# Altium PCB power-v3.6.PcbDoc (part 2 of 3) (continued)
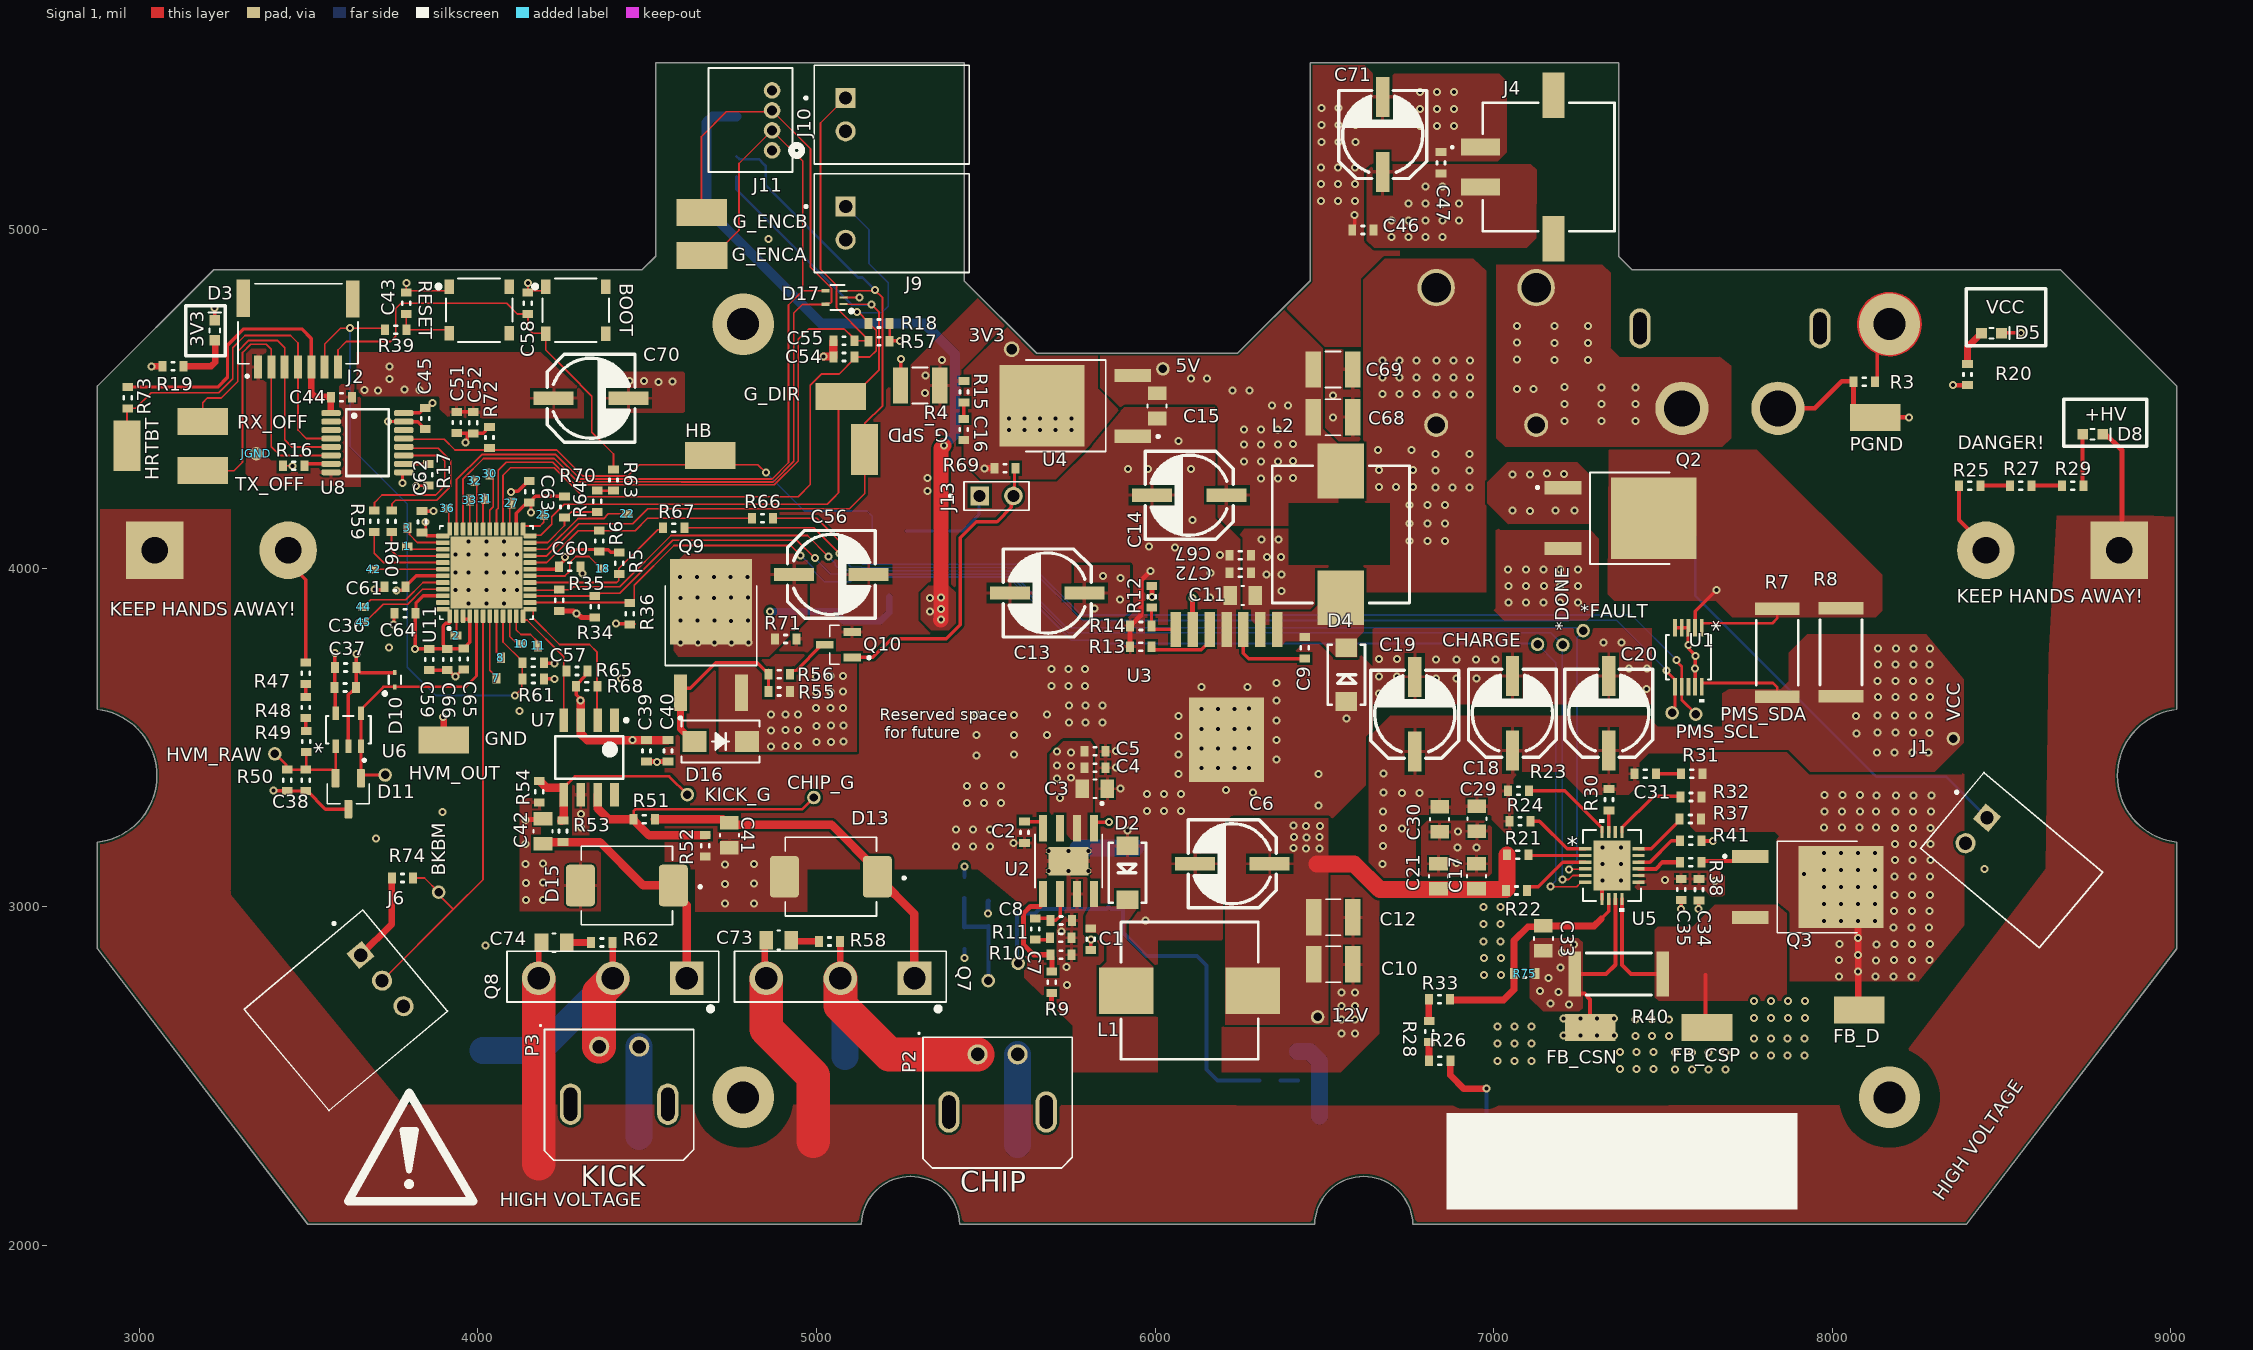
[diagram p0: Signal 1 view]
## Nets (pads, with @x,y where several pads share a name; then routed paths per layer and width w, separated by ;. In a path a pad name is that pad's centre, name@x,y a point inside that pad or via, vN(x,y) a via of type N, cw(c..) or ccw(c..) an arc to the next point about the centre after c; other vN are vias at no path point) (continued)
  Power w50: v1(4304.22,3233.9) 4303.36,3234.76 4303.36,3378.07 4351.61,3426.32 v1@4528.26,3426.32 ; v1(4528.26,3428.38) 5298.23,3428.38 ; 5303.23,3423.38 5303.23,3103.57 5376.34,3030.46 5458.99,3030.46 ; 5303.23,3428.38 5367.89,3493.05 v1@5367.89,3848.3
  Signal 2 w30: J8.2@4764.01,5334.72 4692.81,5334.72 4675.23,5317.14 4675.23,5061.63 5013.75,4723.12 5318.29,4723.12 5409.57,4631.84 5409.57,4396.39 v1(5376.11,4362.93)
  other v1: 6446.09,3171.9 6484.93,3173.05 6409.18,3173.65 6446.61,3204.87 6485.45,3206.02 6409.71,3206.62 6446.33,3239.36 6487.07,3238.88 6409.43,3241.11 4304.32,3273.79 5334.8,3872.18 5334.56,3911.74
  other v2: 7654.05,3076.92 7506.65,3079.67
12V-SW: C1.2 D2.C L1.1 U2.8
12V-VSENSE: R9.1 R10.2 U2.5 | length 332.6
  Signal 1 w15: U2.5@5669.67,3037.86 5669.67,3010.89 5660.52,3001.74 5631.99,3001.74 5611.87,2981.62 5611.87,2888.05 5641.06,2858.85 R10.2@5690.66,2858.85 5690.66,2854.92 5695.01,2850.57 R9.1@5695.01,2809.45
+HV: +HV.1 C22.POS C23.POS C32.1 D7.2 D12.1 D14.1 P2.2 P3.2 R25.2 R26.2 R42.2 R43.2 R47.2 | length 2216.6
  Signal 1 w10: C22.POS@3439.76,4053.54 3439.76,4018.2 3491.91,3966.05 R47.2@3491.91,3721.69
  Signal 1 w12: R25.2@8374.6,4244.32 8374.6,4143.45 8453.94,4064.11 C23.POS@8453.94,4053.54
  Signal 1 w20: R26.2@6872.07,2545.38 6872.07,2502.93 6912.1,2462.89 6978.51,2462.89 v1(6979.21,2463.58)
  Power w80: 4476.35,2321.77 P3.2@4476.35,2587.49 ; 5593.98,2298.75 P2.2@5593.98,2564.47
  Signal 2 w12: v1(6979.21,2463.58) 6979.21,2391.8 D7.2@7049.43,2321.58
  Signal 2 w50: R43.2@6420.54,2573.61 6456.08,2573.61 6485.37,2544.33 6485.37,2382.18
  Signal 2 w80: 4476.35,2321.77 P3.2@4476.35,2587.49 ; 5593.98,2298.75 P2.2@5593.98,2564.47
+VBAT: F1.3 F1.4 P1.2
  other v1: 7209.29,4435.29 7318.69,4434.71 7418.69,4434.71 7209.29,4485.29 7318.69,4484.71 7418.69,4484.71 7068.43,4529.16 7118.43,4529.16 7209.29,4535.29 7318.69,4534.71 7418.69,4534.71 7069.59,4616.35 7178.99,4615.76 7278.99,4615.76 7069.59,4666.35 7178.99,4665.76 7278.99,4665.76 7069.59,4716.35 7178.99,4715.76 7278.99,4715.76
BOOT: BOOT.3 C58.2 J2.7 R63.2 | length 1315.8
  Signal 1 w5: J2.7@3586.67,4594.6 3586.67,4645.05 3611.49,4669.87 3742.15,4669.87 3757.28,4685 3757.28,4767.38 3772.73,4782.83 4084.96,4782.83 4116.46,4751.33 C58.2@4147.74,4751.33 4147.74,4708.24 4162.06,4693.92 4200,4693.92 BOOT.3@4200.41,4693.51 4200.41,4645.01 4268,4577.42 4336.65,4508.77 4336.65,4401.54 4400.31,4337.89 R63.2@4400.31,4292.26
BREAKBEAM: BKBM.1 J6.2 R74.2 U11.6 | length 1361.8
  Signal 1 w5: J6.2@3716.98,2782.18 3927.6,2992.81 ; R74.2@3808.88,3085.57 3842.13,3085.57 BKBM.1@3884.08,3043.62 3884.08,3036.33 3927.6,2992.81 ; U11.6@4015.31,3858.96 4015.31,3080.51 3927.6,2992.81
CH_GND: R3.2 | length 756.1
  Signal 1 w10: R3.2@8125.62,4551.54 8132.43,4558.35 8132.43,4684.57 v3(8169.12,4721.25) ; v3@8259.58,4721.25 ccw(c8169.12,4721.25) v3@8259.58,4721.25
CHARGE: CHARGE.1 R36.2 U5.6 U11.14 | length 4056.6
  Signal 1 w5: U11.14@4162.55,3898.92 R36.2@4461.54,3898.92 ; R36.2@4461.85,3898.62 4461.85,3950.15 4579.22,4067.52 4924.36,4067.52 v1(4953.2,4038.67) ; v1(7168.34,3059.72) 7245.77,3059.72 7256.7,3070.65 7256.7,3072.2 7257.61,3073.11 U5.6@7270.54,3073.11
  Signal 2 w5: v1(4953.2,4038.67) 4990.29,4001.58 4990.29,3993.6 5023.82,3960.08 5100.31,3960.08 5114.61,3974.38 5565.72,3974.38 5567.15,3972.94 cw(c5563.65,3969.38) 5567.21,3972.88 5750.76,3789.34 5752.34,3787.75 5844.22,3787.75 5854.07,3777.9 CHARGE.1@7129.6,3777.9 ; CHARGE.1@7129.6,3775.58 7183.63,3721.55 7183.63,3077.52 7168.34,3062.23 v1(7168.34,3059.72)
CHIP: R68.1 U7.2 U11.13 | length 466
  Signal 1 w5: U11.13@4153.7,3879.24 4159.49,3879.24 4163.88,3874.85 4163.88,3852.4 4241.19,3775.08 4329.45,3775.08 4352.06,3752.47 4352.06,3645.71 4351.7,3645.34 4351.7,3553.46 U7.2@4353.66,3551.5
CHIP_GATE: CHIP_G.1 R51.2 R52.1 U7.7 | length 967.7
  Signal 1 w8: R51.2@4459.9,3259.44 4459.9,3283.19 4464.97,3288.27 4957.49,3288.27 CHIP_G.1@4992.43,3323.21
  Signal 1 w25: U7.7@4353.66,3331.03 4353.95,3330.73 4353.95,3290.76 4385.27,3259.44 R51.2@4459.9,3259.44 4459.9,3256.89 4505.66,3211.12 R52.1@4673.9,3211.12
DONE: *DONE.1 R34.2 U5.5 U11.15 | length 4001.7
  Signal 1 w5: U11.15@4162.55,3918.61 R34.2@4342.99,3918.61 ; R34.2@4345.12,3917.94 4349.06,3917.94 4356.87,3925.75 4360.71,3925.75 4361.55,3926.6 4419.37,3926.6 4575.87,4083.11 4942.17,4083.11 v1(4995.45,4029.83) ; v1(7202.94,3080.9) 7221.51,3080.9 7233.4,3092.79 U5.5@7270.54,3092.79
  Signal 2 w5: v1(4995.45,4029.83) 5040.94,3984.34 5129.34,3982.88 5569.24,3982.88 5742.75,3809.37 7168.97,3809.37 *DONE.1@7204.35,3774 7202.94,3772.59 v1(7202.94,3080.9)
FAULT: *FAULT.1 R35.2 U5.4 U11.16 | length 4054.5
  Signal 1 w5: U11.16@4162.55,3938.29 4165.44,3935.4 R35.2@4227.7,3935.4 ; R35.2@4230.74,3933.39 R35.2@4235.42,3928.7 ; R35.2@4240.09,3936.86 4274.03,3936.86 4282.5,3945.33 4418.93,3945.33 4570.51,4096.91 4973.34,4096.91 v1(5035.56,4034.7) ; v1(7222.33,3109.99) 7223.58,3111.24 7269.3,3111.24 U5.4@7270.54,3112.48
  Signal 2 w5: v1(5035.56,4034.7) 5055.2,4015.05 5055.2,4009.51 5069.82,3994.89 5130.81,3993.43 5562.64,3991.38 5572.76,3991.38 5739.66,3824.48 7243.98,3824.48 7245.69,3822.77 7257.71,3822.77 *FAULT.1@7264.41,3816.07 7264.41,3813.45 7246.27,3795.32 7246.27,3138.97 7222.33,3115.03 v1(7222.33,3109.99)
FB: C33.1 R33.1 R75.2 U5.8 | length 705.8
  Signal 1 w10: 7318.02,2965.18 7339.57,2986.73 U5.8@7339.57,3023.77
  Signal 1 w20: R33.1@6871.51,2725.33 7029.7,2725.33 7060.06,2755.68 R75.2@7060.06,2803.37 7060.06,2900.68 7100.86,2941.49 7144.18,2941.49 C33.1@7146.65,2943.96 ; C33.1@7139.15,2943.96 C33.1@7146.65,2943.96 ; 7318.02,2965.18 7296.79,2943.96 C33.1@7146.65,2943.96
GENEVA_DIR: D17.1 G_DIR.1 J8.5 U11.24 | length 2265.3
  Signal 1 w5: U11.24@4162.55,4095.77 4164.38,4097.6 4185.3,4097.6 4218.4,4130.71 4218.4,4152.31 4255.32,4189.23 5031.4,4189.23 5049.08,4206.9 5049.08,4207.05 5064.99,4222.96 5064.99,4501.03 G_DIR.1@5071.76,4507.8 5106.6,4507.8 5184.89,4586.09 5184.89,4756.76 5161.98,4779.66 5080.05,4779.66 D17.1@5079.55,4780.16
  Signal 2 w8: J8.5@4764.02,5157.55 4764.02,5119.34 5105.09,4778.27 5162.27,4778.27 v1(5162.82,4778.83)
GENEVA_ENCODER_A: D17.4 G_ENCA.1 J11.2 U11.35 | length 2785.3
  Signal 1 w5: U11.35@3936.57,4116.05 3936.57,4261.42 4011.14,4335.99 4230.39,4335.99 4302.3,4264.08 4604.62,4264.08 4605.09,4263.6 4868.41,4263.6 4917.26,4312.46 4917.26,4777.76 4959.04,4819.53 ; G_ENCA.1@4661.94,4924.42 4696.78,4924.42 4771.27,4998.9 4771.27,5195.88 J11.2@4868.73,5293.35 4959.04,5203.04 4959.04,4819.53 ; D17.4@5026.55,4819.53 4959.04,4819.53
GENEVA_ENCODER_B: D17.5 G_ENCB.1 J11.3 U11.34 | length 2871
  Signal 1 w5: U11.34@3956.26,4116.05 3956.26,4264.27 4016.48,4324.49 4225.62,4324.49 4294.53,4255.58 4601.09,4255.58 4601.57,4255.1 4871.93,4255.1 4932.8,4315.97 4932.8,4754.11 4958.07,4779.38 D17.5@5020.9,4779.38 ; G_ENCB.1@4660.66,5050.41 4660.66,5275.62 4733.33,5348.3 4864.63,5348.3 J11.3@4868.73,5352.4 4982.15,5238.99 4982.15,4889.42 5044.55,4827.02 5044.55,4785.59 5041.62,4782.66 5029.05,4782.66 D17.5@5026.55,4780.16 D17.5@5020.9,4780.16
GENEVA_END_STOP_1: C54.1 J9.1 R18.2 U11.28 | length 2243.7
  Signal 1 w5: U11.28@4074.37,4116.05 4074.37,4274.93 4096.21,4296.77 4225.06,4296.77 4310.37,4211.46 4945.66,4211.46 4981.69,4247.49 4981.69,4540.98 5014.43,4573.72 5066.48,4573.72 5113,4620.23 C54.1@5113,4624.17 5157.74,4624.17 5176.39,4642.82 5176.39,4702.76 R18.2@5156.73,4722.42 ; v1(5119.58,4757.46) 5122.99,4757.46 5153.4,4727.05 R18.2@5153.4,4723.12
  Signal 2 w5: J9.1@5086.23,5068.85 5154.9,5000.18 5154.9,4899.73 5211.57,4843.06 5211.57,4774.48 5192.02,4754.93 5122.11,4754.93 v1(5119.58,4757.46)
GENEVA_END_STOP_2: C55.1 J10.1 R57.2 U11.29 | length 2521.3
  Signal 1 w5: U11.29@4054.68,4124.91 4054.68,4172.36 4060.28,4177.96 4060.28,4289.97 4083.3,4312.99 4220.86,4312.99 4286.77,4247.08 4597.57,4247.08 4598.05,4246.6 4875.45,4246.6 4946.11,4317.26 4946.11,4676.17 4976.79,4706.84 5082.22,4706.84 5103.69,4685.38 5113,4676.07 C55.1@5113,4672.13 R57.2@5152.28,4672.13 ; J10.1@5085.9,5389.1 5011.9,5315.1 5011.9,4883.54 5058.96,4836.48 5058.96,4769.38 5144.09,4684.26 5153.4,4674.94 R57.2@5153.4,4671.01
GENEVA_SPEED: D17.3 G_SPD.1 J8.4 U11.21 | length 2420.4
  Signal 1 w5: U11.21@4162.55,4036.72 4203.35,4036.72 4298.35,4131.72 4457.3,4131.72 4501.55,4175.97 5097.75,4175.97 5142.73,4220.95 5142.73,4350.89 5142.73,4428.09 5195.25,4480.6 5195.25,4798.94 v1(5172.4,4821.79) 5170.14,4819.53 5105.11,4819.53 5100.97,4819.53 D17.3@5079.55,4819.53 ; G_SPD.1@5115.91,4348.13 5113.15,4350.89 G_SPD.1@5142.12,4350.89
  Signal 2 w8: J8.4@4764.01,5216.61 4772.23,5208.39 4829.76,5208.39 4845.13,5193.02 ccw(c4868.72,5220.71) 4847.34,5191.28 4850.28,5188.34 4850.28,5131.36 4852.63,5129.02 5122.78,4858.86 5135.33,4858.86 v1(5172.4,4821.79)
GND: BOOT.1 C36.1 C37.2 C38.1 C39.1 C40.1 C43.1 C45.1 C46.1 C47.1 C51.1 C52.1 C53.1 C54.2 C55.2 C57.1 C58.1 C59.1 C60.1 C61.1 C62.1 C63.1 C64.1 C65.1 C66.1 C70.NEG C71.NEG D3.2 D10.2 D11.3 D17.2 GND.1 J4.1 J5.9 J5.10 J6.3 J8.3 J9.2 J10.2 J11.1 R4.1 R36.1 R50.2 R65.2 R68.2 R72.2 RESET.1 U6.2 U7.3 U8.9 U8.15 U9.3 U9.4 U11.49 | length 2420.2
  Signal 1 w5: C43.1@3788.47,4814.32 3794.22,4820.07 3903.61,4820.07 RESET.1@3915.11,4831.59 ; C43.1@3788.47,4814.32 v1(3788.47,4843.44) ; C58.1@4147.74,4808.85 C58.1@4148.3,4809.41 ; v1(4147.74,4843.44) C58.1@4147.74,4814.32 4153.6,4820.19 4189.3,4820.19 BOOT.1@4200.41,4831.3 ; D17.2@5079.55,4799.85 v1(5126.7,4799.85)
  Signal 1 w10: D3.2@3222.78,4731.41 v1(3222.78,4769.63) ; v1(3396.82,3344.11) 3397.59,3343.33 3435.77,3343.33 R50.2@3436.54,3342.56 C38.1@3491.87,3342.56 3495.8,3342.56 3549.78,3288.58 D11.3@3617.23,3288.58 D11.3@3617.42,3288.77 ; U6.2@3617.42,3474.36 U6.2@3617.61,3474.55 3617.61,3576.17 3617.66,3576.22 3617.66,3626.15 3628.84,3637.33 3632.78,3637.33 3639.59,3644.14 C37.2@3639.59,3648.08 3640.18,3648.67 3640.18,3706.54 C36.1@3640.77,3707.13 C36.1@3640.83,3707.19 ; v1(3640.89,3746.85) 3640.83,3746.79 C36.1@3640.83,3707.19 ; v1(3694.18,3937.05) 3716.68,3937.05 3723.49,3943.86 C61.1@3723.49,3946.14 ; v1(3734.7,4433.64) 3734.77,4433.57 3780.96,4433.57 U8.15@3781.03,4433.5 3822.14,4433.5 3833.87,4421.77 3833.87,4417.83 3840.68,4411.02 C45.1@3844.62,4411.02 ; v1(3751.17,3833.92) 3752.14,3834.89 3752.14,3866.67 C64.1@3753.11,3867.64 ; D10.2@3754.72,3691.95 3652.01,3691.95 3640.83,3703.13 C36.1@3640.83,3707.19 ; v2(3777.47,4252.28) 3777.47,4279.94 U8.9@3781.03,4283.5 ; C62.1@3835.08,4168.73 3835.32,4168.97 3869.38,4168.97 v1(3869.63,4169.22) ; C59.1@3856.26,3699.33 C66.1@3909.65,3699.33 3913.58,3699.33 3931.89,3681.03 v1(3933.97,3681.03) 3934.27,3681.03 3954.09,3700.84 C65.1@3958.03,3700.84 ; C51.1@3937.13,4399.46 3979.84,4399.45 3975.91,4399.45 3969.1,4392.64 3969.1,4381.44 3963.18,4375.53 v1(3963.18,4371.84) ; C52.1@3986.33,4398.94 4015.53,4398.94 4023.75,4407.15 4023.75,4411.09 4030.56,4417.9 R72.2@4034.49,4417.9 ; v1(4098.23,4225.46) 4100.84,4228.07 4118.48,4228.07 4148.01,4257.6 C63.1@4151.95,4257.6 ; C57.1@4195.16,3720.86 4196.5,3719.53 v1(4226.47,3719.53) ; v2(4302.65,3609.87) 4302.65,3613.56 4290.02,3626.19 4290.02,3655.32 4317.57,3682.87 4317.57,3689.85 R65.2@4324.38,3696.66 ; C60.1@4303.15,4005.08 4306.17,4002.06 4306.17,3986.97 v1(4308.78,3984.36) ; v1(4408.14,3837.05) 4408.86,3836.34 4448.2,3836.34 4448.92,3835.62 R36.1@4461.85,3835.62 ; R4.1@5248.18,4540 5249.06,4540.88 v2(5249.06,4618.33) ; C46.1@6582.38,4999.22 6582.38,5003.15 6589.19,5009.96 6589.19,5015.36 6589.65,5015.82 v1(6589.65,5043.28)
  Signal 1 w20: v1(3897.12,3560.47) 3897.12,3559.49 3899.45,3557.16 GND.1@3899.45,3493.39
  Signal 1 w25: v2(4302.65,3609.87) 4303.66,3608.87 U7.3@4303.66,3551.5 4303.95,3551.2 4303.95,3511.36 4322.54,3492.77 C40.1@4561.3,3492.77 ; v1(5020.51,4625.73) 5049.32,4625.73 C54.2@5050.01,4625.04 ; C54.2@5050.01,4624.17 C54.2@5050.01,4625.04 ; C55.2@5050.01,4672.13 C54.2@5050.01,4625.04
  other v1: 4457.19,3492.61 3971.71,3896.19 4025.15,3896.19 4076.83,3896.19 3934.09,3936.63 3971.71,3936.63 4025.15,3936.63 4076.83,3936.63 4114.8,3936.63 3934.09,3987.51 3971.71,3987.51 4025.15,3987.51 4076.83,3987.51 4114.8,3987.51 3934.09,4041.04 3971.71,4041.04 4025.15,4041.04 4076.83,4041.04 4114.8,4041.04 3971.71,4079.01 4025.15,4079.01 4076.83,4079.01 6490.75,5084.55 6540.75,5084.55 6590.75,5084.55 6490.75,5134.55 6540.75,5134.55 6590.75,5134.55 6490.75,5184.55 6540.75,5184.55 6590.75,5184.55 6492.04,5259.62 6542.04,5259.62 6592.04,5259.62 6783.19,5306.86 6833.19,5306.86 6883.19,5306.86 6492.04,5309.62 6542.04,5309.62 6592.04,5309.62 6783.19,5356.86 6833.19,5356.86 6883.19,5356.86 6492.04,5359.62 6542.04,5359.62 6592.04,5359.62 6783.19,5406.86 6833.19,5406.86 6883.19,5406.86
  other v2: 4022.18,2886.31 3699.44,3202.81 3894.77,3280.43 4123.29,3578.84 4422.43,3675.32 3737.35,3766.26 4533.29,4550.66 4574.87,4551.76 4490.98,4553.22 4448.12,4554.04 4858.54,4973.3
GND_JETSON: C44.1 J2.1 JGND.1 U8.2 U8.8
HEARTBEAT: HB.1 R72.1 U8.13 U9.6 | length 1550.1
  Signal 1 w5: U8.13@3781.03,4383.5 3783,4381.53 3900.41,4381.53 3932.45,4349.49 4034.49,4349.49 4233.15,4349.49 4309.69,4272.95 4443,4272.95 4476.39,4306.34 4826.79,4306.34 v1(4850.22,4282.92)
  Signal 2 w5: v1(4850.22,4282.92) 4963.93,4169.21 5149.11,4169.21 5164.56,4153.76 5164.56,4110.53 U9.6@5164.91,4110.19
HV-SENSE: D10.1 D11.1 HVM_OUT.1 U6.3 U6.4 U11.5 | length 836.2
  Signal 1 w8: D11.1@3654.63,3380.31 3654.63,3381.91 D11.1@3654.82,3382.09 ; HVM_OUT.1@3725.96,3389.72 3662.44,3389.72 D11.1@3654.82,3382.09 ; U11.5@3995.63,3858.96 3995.63,3681.82 3963.76,3649.95 D10.1@3754.72,3649.95 3721.4,3649.95 3655.01,3583.55 U6.4@3655.01,3572.55 U6.3@3655.01,3474.55 3654.82,3474.36 D11.1@3654.82,3382.09
HV_GATE: R38.2 U5.13 | length 130.9
  Signal 1 w12: U5.13@7428.28,3112.48 7479.05,3112.48 7498.61,3132.04 R38.2@7551.08,3132.04
IO0: R64.1 R70.1 U11.23 | length 241.1
  Signal 1 w5: U11.23@4162.55,4076.09 4205.43,4076.09 4255.68,4126.34 R70.1@4255.68,4149.86 4259.62,4149.86 4276.11,4166.35 4352.42,4166.35 R64.1@4352.49,4166.28
JETSON_HEARTBEAT: HRTBT.1 J2.4 R73.2 U8.4 | length 1131
  Signal 1 w5: HRTBT.1@2963.85,4362.28 2963.85,4470.46 R73.2@2965.87,4472.48 2988.84,4472.48 3034.92,4518.56 3234.27,4518.56 3275.88,4560.17 3275.88,4651.44 3312.25,4687.81 3446.45,4687.81 3468.56,4665.7 J2.4@3468.56,4594.6 3468.56,4408.49 3493.54,4383.5 U8.4@3566.46,4383.5
JETSON_RX: R60.1 U8.12 | length 446
  Signal 1 w5: R60.1@3746.2,4170.2 3746.2,4190.53 3756.72,4201.05 3878.29,4201.05 3919.53,4242.29 3919.53,4317.81 3882.59,4354.75 3784.78,4354.75 U8.12@3781.03,4358.5
JETSON_RX_OFFBRD: J2.3 RX_OFF.1 U8.5 | length 852.3
  Signal 1 w5: RX_OFF.1@3187.07,4433.55 3187.07,4488.92 3201.09,4502.94 3241.7,4502.94 3290.77,4552.01 3290.77,4640.39 3323.56,4673.17 3407.28,4673.17 3429.19,4651.27 J2.3@3429.19,4594.6 3429.19,4379.66 3450.35,4358.5 U8.5@3566.46,4358.5
JETSON_TX: R59.1 U8.11 | length 458.6
  Signal 1 w5: R59.1@3694.55,4166.36 3694.55,4194.22 3716.91,4216.58 3875.43,4216.58 3902.55,4243.71 3902.55,4317.99 3887.05,4333.5 U8.11@3781.03,4333.5
JETSON_TX_OFFBRD: J2.2 TX_OFF.1 U8.6 | length 1028
  Signal 1 w5: TX_OFF.1@3187.07,4288.45 3279.54,4288.45 3305.02,4313.94 3305.02,4637.64 3329.41,4662.03 3374.48,4662.03 3389.82,4646.69 J2.2@3389.82,4594.6 3389.82,4359.57 3415.89,4333.5 U8.6@3566.46,4333.5
KICK: R65.1 U7.4 U11.12 | length 367.5
  Signal 1 w5: U11.12@4133.7,3858.68 4133.7,3851.61 4137.81,3847.5 4144.88,3847.5 4253.9,3738.49 4253.9,3702.8 4261.48,3695.22 4253.66,3687.39 U7.4@4253.66,3551.5
KICK_GATE: KICK_G.1 R53.2 R54.1 U7.5 | length 583.9
  Signal 1 w8: U7.5@4253.66,3331.03 4253.66,3351.49 4253.66,3352.68 4286.61,3385.63 4564.87,3385.63 KICK_G.1@4618.58,3331.92
  Signal 1 w25: R54.1@4181.35,3371.23 4183.91,3371.23 4203.36,3351.78 4253.36,3351.78 U7.5@4253.66,3351.49 ; R53.2@4246.38,3254.56 4248.94,3254.56 4249.63,3255.24 4249.63,3261.74 4253.66,3265.77 U7.5@4253.66,3331.03
LT_CSP: FB_CSP.1 Q3.3 R40.2 U5.10 | length 484
  Signal 1 w12: U5.10@7378.94,3023.77 7378.94,2828.01 7405.22,2801.73 R40.2@7499.49,2801.73 ; 7626.15,2799.11 7626.15,2647.89 FB_CSP.1@7630.08,2643.97
Net1_1: 1.1 U11.39 | length 108.5
  Signal 1 w5: 1.1@3791.57,4064.73 3799.9,4056.4 U11.39@3896.61,4056.4
Net2_1: 2.1 U11.2 | length 41.7
  Signal 1 w5: 2.1@3934.88,3809.52 3936.57,3811.22 U11.2@3936.57,3850.1 ; 2.1@3935.06,3801.67 2.1@3935.35,3801.38
Net3_1: 3.1 U11.38 | length 131.4
  Signal 1 w5: 3.1@3791.78,4120.3 3797.97,4114.12 3797.97,4099.98 3821.86,4076.09 U11.38@3896.61,4076.09
Net7_1: 7.1 U11.7 | length 192.2
  Signal 1 w5: U11.7@4035,3858.96 4035,3698.71 4054.82,3678.89 7.1@4054.82,3674.95
Net8_1: 8.1 U11.8 | length 128.6
  Signal 1 w5: U11.8@4054.68,3858.96 4054.68,3752.65 4067.64,3739.69 8.1@4067.64,3735.76
Net10_1: 10.1 U11.10 | length 94.1
  Signal 1 w5: U11.10@4094.05,3850.1 4094.05,3798.76 4109.09,3783.72 4120.92,3783.72 10.1@4127.73,3776.91
Net11_1: 11.1 U11.11 | length 111.6
  Signal 1 w5: U11.11@4113.74,3850.1 4113.74,3817.91 4127.11,3804.53 4155.27,3804.53 11.1@4178.14,3781.66
Net18_1: 18.1 U11.18 | length 259.3
  Signal 1 w5: U11.18@4162.55,3977.66 4257.47,3977.66 4271.66,3991.84 4271.66,4017.25 4289.54,4035.14 4327.93,4035.14 4364.18,3998.89 18.1@4368.12,3998.89
Net22_1: 22.1 U11.22 | length 322.4
  Signal 1 w5: U11.22@4162.55,4056.4 4204.91,4056.4 4295.47,4146.97 4371.34,4146.97 4385.36,4160.99 22.1@4441.61,4160.99
Net25_1: 25.1 U11.25 | length 88.8
  Signal 1 w5: U11.25@4133.42,4124.91 4183.44,4124.91 4194.4,4135.87 4194.4,4158.5 25.1@4194.84,4158.94
Net27_1: 27.1 U11.27 | length 70.2
  Signal 1 w5: U11.27@4094.05,4124.91 4094.05,4187.64 27.1@4099.31,4192.9
Net30_1: 30.1 U11.30 | length 162.4
  Signal 1 w5: 30.1@4034.95,4278.66 4034.95,4274.73 4045.4,4264.28 4045.4,4181.67 4035,4171.27 U11.30@4035,4124.91
Net31_1: 31.1 U11.31 | length 82.8
  Signal 1 w5: U11.31@4015.31,4124.91 4015.31,4198.73 31.1@4021.65,4205.06
Net32_1: 32.1 U11.32 | length 144.7
  Signal 1 w5: 32.1@3988.58,4267.69 32.1@3994.03,4262.23 ; 32.1@3990.01,4258.58 3996.76,4251.83 3996.76,4126.05 U11.32@3995.63,4124.91
Net33_1: 33.1 U11.33 | length 77.2
  Signal 1 w5: U11.33@3975.94,4124.91 3975.94,4201.04 33.1@3976.69,4201.8
Net36_1: 36.1 U11.36 | length 55.4
  Signal 1 w5: 36.1@3909.52,4177.3 3914.11,4172.71 3914.11,4127.68 U11.36@3916.89,4124.91
Net42_1: 42.1 U11.42 | length 326.3
  Signal 1 w5: 42.1@3692.35,3997.67 U11.42@3883.96,3997.67 ; 3753.05,3997.35 U11.42@3887.75,3997.35
Net44_1: 44.1 U11.44 | length 263.6
  Signal 1 w5: 44.1@3662.65,3886.51 3683.47,3907.33 3787.18,3907.33 3837.83,3957.98 U11.44@3896.61,3957.98
Net45_1: 45.1 U11.45 | length 274.6
  Signal 1 w5: 45.1@3662.65,3840.29 3666.59,3840.29 3720.61,3894.32 3792.58,3894.32 3836.55,3938.29 U11.45@3896.61,3938.29
NetAD_D_1: AD_D.1 D9.C Q4.1 Q5.3 R44.1 | length 1347.1
  Signal 2 w12: AD_D.1@5586.1,2823.03 AD_D.1@5586.1,2842.83 ; AD_D.1@5605.41,2823.52 5592.27,2836.67 5592.27,2976.87 Q5.3@5588.65,2980.49 5645.41,2980.49 5658.95,2994.03 5855.75,2994.03 5863.07,3001.34 5869.91,2994.5 5905.82,2994.5 5905.82,2923.76 5974.6,2854.98 6124.46,2854.98 6152.37,2827.07 6152.37,2519.22 6184.58,2487.01 ; 6184.01,2487.59 R44.1@6308.07,2487.59
NetAD_VCC_1: AD_VCC.1 Q5.1 R45.1 R46.2 | length 320
  Signal 2 w12: R46.2@5436.51,2940.01 R45.1@5436.51,3025.96 ; R46.2@5438.05,2941.55 Q5.1@5506.4,2941.55 ; AD_VCC.1@5507.94,2777.39 Q5.1@5507.94,2943.09
NetBOOT_2: BOOT.2
NetBOOT_4: BOOT.4
NetC1_1: C1.1 U2.1 | length 458
  Signal 1 w10: C1.1@5810.54,2872.67 v1(5810.54,2904.17) ; U2.1@5819.67,3232.74 5819.67,3243.58 5826.48,3250.39 v1(5863.3,3250.39)
  Ground w10: v1@5862.47,3249.56 v1(5863.3,3250.39)
  Power w10: v1(5810.54,2904.17) 5863.3,2956.93 v1(5863.3,3250.39)
NetC2_1: C2.1 U2.4 | length 70.6
  Signal 1 w10: C2.1@5614.38,3252.01 5662.86,3252.01 5669.67,3245.2 U2.4@5669.67,3232.74
NetC7_1: C7.1 R11.1 | length 46.5
  Signal 1 w10: C7.1@5646.35,2903.13 5684.4,2903.13 R11.1@5690.39,2909.11
NetC7_2: C7.2 C8.2 U2.6 | length 146.2
  Signal 1 w10: C7.2@5646.35,2966.12 5685.37,2966.12 C8.2@5691.36,2960.12 5707.11,2960.12 5719.67,2972.68 U2.6@5719.67,3037.86
NetC9_1: C9.1 U3.3 | length 257.6
  Signal 1 w10: U3.3@6261,3819.82 6261,3749.49 6276.95,3733.53 C9.1@6441.66,3733.53
NetC16_1: C16.1 R15.1 | length 48.2
  Signal 1 w10: C16.1@5435.37,4441.82 5435.46,4441.91 R15.1@5435.46,4489.94
NetC31_1: C31.1 R31.1 | length 74.8
  Signal 1 w10: C31.1@7478.88,3393.51 7553.37,3393.51 R31.1@7553.6,3393.74
NetC38_2: C38.2 D11.2 HVM_RAW.1 R49.1 R50.1 U6.1 | length 371.2
  Signal 1 w8: HVM_RAW.1@3401.17,3452.95 3433.5,3420.62 3433.5,3408.59 R50.1@3436.54,3405.55 C38.2@3491.87,3405.55 ; R49.1@3493.18,3457.07 3493.18,3406.87 C38.2@3491.87,3405.55 ; U6.1@3580.21,3474.55 3580.02,3474.36 3580.02,3380.5 D11.2@3579.83,3380.31 3579.83,3395.66 3569.94,3405.55 C38.2@3491.87,3405.55
NetC41_2: C41.2 D13.C Q7.1 R51.1 | length 1084
  Signal 1 w25: R51.1@4523.07,3259.26 R51.1@4522.89,3259.44 4723.59,3259.44 4740.05,3242.98 5044.4,3242.98 5179.58,3107.8 D13.C@5179.58,3089.29 5289.42,2979.45 Q7.1@5289.42,2789.02
NetC42_2: C42.2 D15.C Q8.1 R53.1 | length 714
  Signal 1 w25: C42.2@4207.35,3192.38 4209.9,3192.38 4210.75,3191.54 4251.19,3191.54 4360.39,3191.54 4488.57,3063.36 4548.36,3063.36 D15.C@4577.09,3063.36 4577.09,3044.86 4617.33,3004.62 Q8.1@4617.33,2789.21
NetC43_2: C43.2 R39.2 RESET.3 | length 177.6
  Signal 1 w5: C43.2@3788.47,4751.33 3788.78,4751.03 R39.2@3788.78,4704.69 3904.22,4704.69 RESET.3@3915.11,4693.8
NetC73_1: C73.1 R58.2 | length 85.4
  Signal 1 w20: C73.1@4926.1,2898.37 R58.2@5005.71,2898.37 ; C73.1@4926.5,2907.45 C73.1@4927.35,2906.59 ; R58.2@5005.07,2901.91 5006.89,2900.1 R58.2@5006.89,2898.09
NetC74_1: C74.1 R62.2 | length 75.2
  Signal 1 w20: C74.1@4259.13,2895.31 R62.2@4334.36,2894.94
NetD1_1: D1.1 Q1.3 Q2.3 R2.1
  other v1: 7043.17,3899.41 7095.55,3899.41 7147.94,3899.41 7196.07,3899.12 7248.46,3899.12 7148.68,3947.18 7196.43,3947.49 7248.81,3947.49 7043.52,3947.78 7095.91,3947.78 7043.12,3996.44 7095.5,3996.44 7147.89,3996.44 7196.02,3996.14 7248.4,3996.14
NetD1_2: D1.2 Q1.1 Q2.1 R1.1
  other v1: 7106.69,4169.8 7056.37,4170.68 7106.69,4276.81 7056.37,4277.69 7208.32,4278.77 7158,4279.64
  other v2: 7182.62,4171.2 7238.84,4171.58
NetD3_1: D3.1 R19.1 | length 168.6
  Signal 1 w20: R19.1@3130.93,4597.06 3212.57,4597.06 3224.29,4608.78 D3.1@3224.29,4679.21
NetD5_1: D5.1 R20.1 | length 107.8
  Signal 1 w20: R20.1@8399.58,4603.91 8399.58,4653.36 D5.1@8440.83,4694.62
NetD7_IN: D7.3 T1.1
NetD8_1: D8.1 R29.1 | length 152.6
  Signal 1 w12: D8.1@8739.65,4395.94 8739.65,4246.63 R29.1@8741.95,4244.32
NetD12_2: D12.2 P2.1 Q7.2 R58.1 | length 2421.5
  Signal 1 w20: R58.1@5070.25,2898.09 5070.25,2789.3 Q7.2@5070.53,2789.02
  Signal 1 w100: Q7.2@5070.53,2789.02 5070.53,2709.21 5215.26,2564.47 P2.1@5475.87,2564.47
  Ground w59.06: Q7.2@5070.53,2789.02 5070.53,2710.23 5216.28,2564.47 P2.1@5475.87,2564.47
  Power w100: Q7.2@5070.53,2789.02 5070.53,2710.23 5216.28,2564.47 P2.1@5475.87,2564.47
  Signal 2 w78.74: Q7.2@5070.53,2789.02 5070.53,2695.83 5084.06,2682.29 ; D12.2@5084.06,2557.07 5084.06,2682.29 ; P2.1@5475.87,2564.47 5201.88,2564.47 5084.06,2682.29
NetD14_2: D14.2 P3.1 Q8.2 R62.1 | length 1241.1
  Signal 1 w20: Q8.2@4398.44,2789.21 R62.1@4398.44,2896.51
  Signal 1 w100: P3.1@4357.29,2587.3 4357.29,2745.46 Q8.2@4398.44,2786.61
  Ground w15: Q8.2@4399.39,2767.13 4399.39,2768.25 Q8.2@4399.39,2786.8
  Ground w59.06: P3.1@4358.24,2587.7 4358.24,2734.79 4391.71,2768.25 Q8.2@4399.39,2768.25
  Ground w80: Q8.2@4398.44,2789.21 Q8.2@4403.63,2789.21
  Power w100: P3.1@4357.29,2587.49 4357.29,2748.06 Q8.2@4398.44,2789.21
  Signal 2 w78.74: D14.2@4014.06,2575.97 4181.76,2575.97 4355.57,2749.78 ; 4357.29,2748.06 Q8.2@4398.44,2789.21
NetD16_2: D16.2 Q9.1 R55.2 R56.1 | length 538.4
  Signal 1 w10: Q9.1@4609.82,3628.62 4609.82,3642.76 4612.53,3645.48 4626.67,3645.48 4702.18,3720.98 4825.05,3720.98 R56.1@4858.44,3687.59 ; R55.2@4858.44,3633.25 R56.1@4858.44,3687.59 ; R56.1@4858.44,3698.82 R56.1@4858.44,3687.59
  Signal 1 w20: Q9.1@4598.24,3633.04 4598.24,3525.65 4635.09,3488.8 D16.2@4639.43,3488.8
NetF1_1: F1.1 F1.2 Q1.2
  other v1: 6751.57,4081.34 6803.96,4081.34 6856.34,4081.34 6751.57,4131.86 6803.96,4131.86 6856.34,4131.86 6751.57,4186.5 6803.96,4186.5 6856.34,4186.5 6828.59,4238.38 6878.59,4238.38 6928.59,4238.38 6662.04,4240.8 6712.04,4240.8 6762.04,4240.8 6828.59,4288.38 6928.59,4288.38 6662.04,4290.8 6762.04,4290.8 6828.59,4338.38 6928.59,4338.38 6658,4349.15 6758,4349.15 6671.43,4514.39 6721.43,4514.39 6771.43,4514.39 6830.83,4513.81 6880.83,4513.81 6930.83,4513.81 6671.43,4564.39 6721.43,4564.39 6771.43,4564.39 6830.83,4563.81 6880.83,4563.81 6930.83,4563.81 6671.43,4614.39 6721.43,4614.39 6771.43,4614.39 6830.83,4613.81 6880.83,4613.81 6930.83,4613.81
NetFB_D_1: FB_D.1 Q3.2 R31.2 R32.1 R37.1 T1.7 T1.8 T1.9 T1.10 | length 342.3
  Signal 1 w20: v1(8075.91,2908.74) v1(8075.91,2958.74) ; v1@8076.61,2857.07 8076.61,2861.99 8076.66,2862.05 8076.66,2907.01 8076.61,2907.07 8076.61,2907.93 v1@8076.66,2907.99 ; v1@8076.66,2855.64 8076.66,2809.66 8076.61,2809.6 8076.61,2699.17 FB_D.1@8079.76,2696.01 ; Q3.2@8079.76,2958.74 8079.76,2977.09 8079.83,2977.16 Q3.2@8079.83,3039.05
  other v1: 8128.18,2793.83 8181.63,2794.42 8234.01,2794.42 8019.56,2795.18 8075.91,2808.74 8129.12,2842.08 8020.5,2843.42 8182.57,2842.66 8234.96,2842.66 8287.34,2842.66 8075.91,2858.74 8130.21,2889.37 8183.66,2889.96 8236.04,2889.96 8288.43,2889.96 8021.59,2890.71 8181.63,2939.58 8234.01,2939.58 8286.4,2939.58 7975.91,2958.74 8025.91,2958.74 8125.91,2958.74 8182.57,2987.82 8234.96,2987.82 8287.34,2987.82 7975.91,3008.74 8025.91,3008.74 8075.91,3008.74 8125.91,3008.74 8183.66,3035.12 8236.04,3035.12 8288.43,3035.12 7975.91,3058.74 8025.91,3058.74 8075.91,3058.74 8125.91,3058.74 8183.99,3090.05 8236.37,3090.05 8288.76,3090.05 7916.69,3097.32 7975.91,3108.74 8025.91,3108.74 8075.91,3108.74 8125.91,3108.74 8184.93,3138.29 8237.32,3138.29 8289.7,3138.29 7975.91,3158.74 8025.91,3158.74 8075.91,3158.74 8125.91,3158.74 8186.02,3185.59 8238.41,3185.59 8290.79,3185.59 8185.76,3233.44 8238.14,3233.44 8290.53,3233.44 7975.84,3234.32 8028.23,3234.32 8080.61,3234.32 8128.75,3234.02 8129.69,3282.27 8186.7,3281.68 8239.09,3281.68 8291.47,3281.68 7976.79,3282.56 8029.17,3282.56 8081.56,3282.56 8187.79,3328.98 8240.18,3328.98 8292.56,3328.98 7977.88,3329.86 8030.26,3329.86 8082.65,3329.86 8130.78,3329.56
NetJ1_1: J1.1 R1.2 R2.2 | length 1411.7
  Signal 2 w8: R1.2@7559.6,4180.36 R2.2@7559.6,4127.7 7563.53,4127.7 7571.34,4119.89 7571.34,4115.95 7595,4092.3 7595,3919.42 8129.72,3384.7 8335.86,3384.7 J1.1@8457.09,3263.47
NetJ5_S1: J5.S1
NetJ5_S2: J5.S2
NetJ8_6: J8.6
NetJ8_7: J8.7
NetJ13_2: J13.2 Q10.1 R69.1 | length 925.4
  Signal 1 w10: Q10.1@5105.21,3737.13 5166.76,3737.13 5221.68,3792.04 5383.5,3792.04 5424.52,3833.06 5424.52,4090.55 5472,4138.02 5533.26,4138.02 5575.39,4180.15 5575.39,4207.45 J13.2@5581.81,4213.87 5584.97,4217.04 5584.97,4292.54 R69.1@5588.14,4295.71